# Altium PCB fullCURRENT power.PcbDoc (part 2 of 2)
Units mil, origin at the board's own origin, x right, y up, seen from the top; angles counter-clockwise.
Board outline 8250 x 6000 mil, 4 copper layers (Top Layer, ML1, ML2, Bottom Layer), stack 62 mil thick; 257 components, 125 nets, 713 pads, 209 vias.
Unrouted connection lines stored in the file: 8.
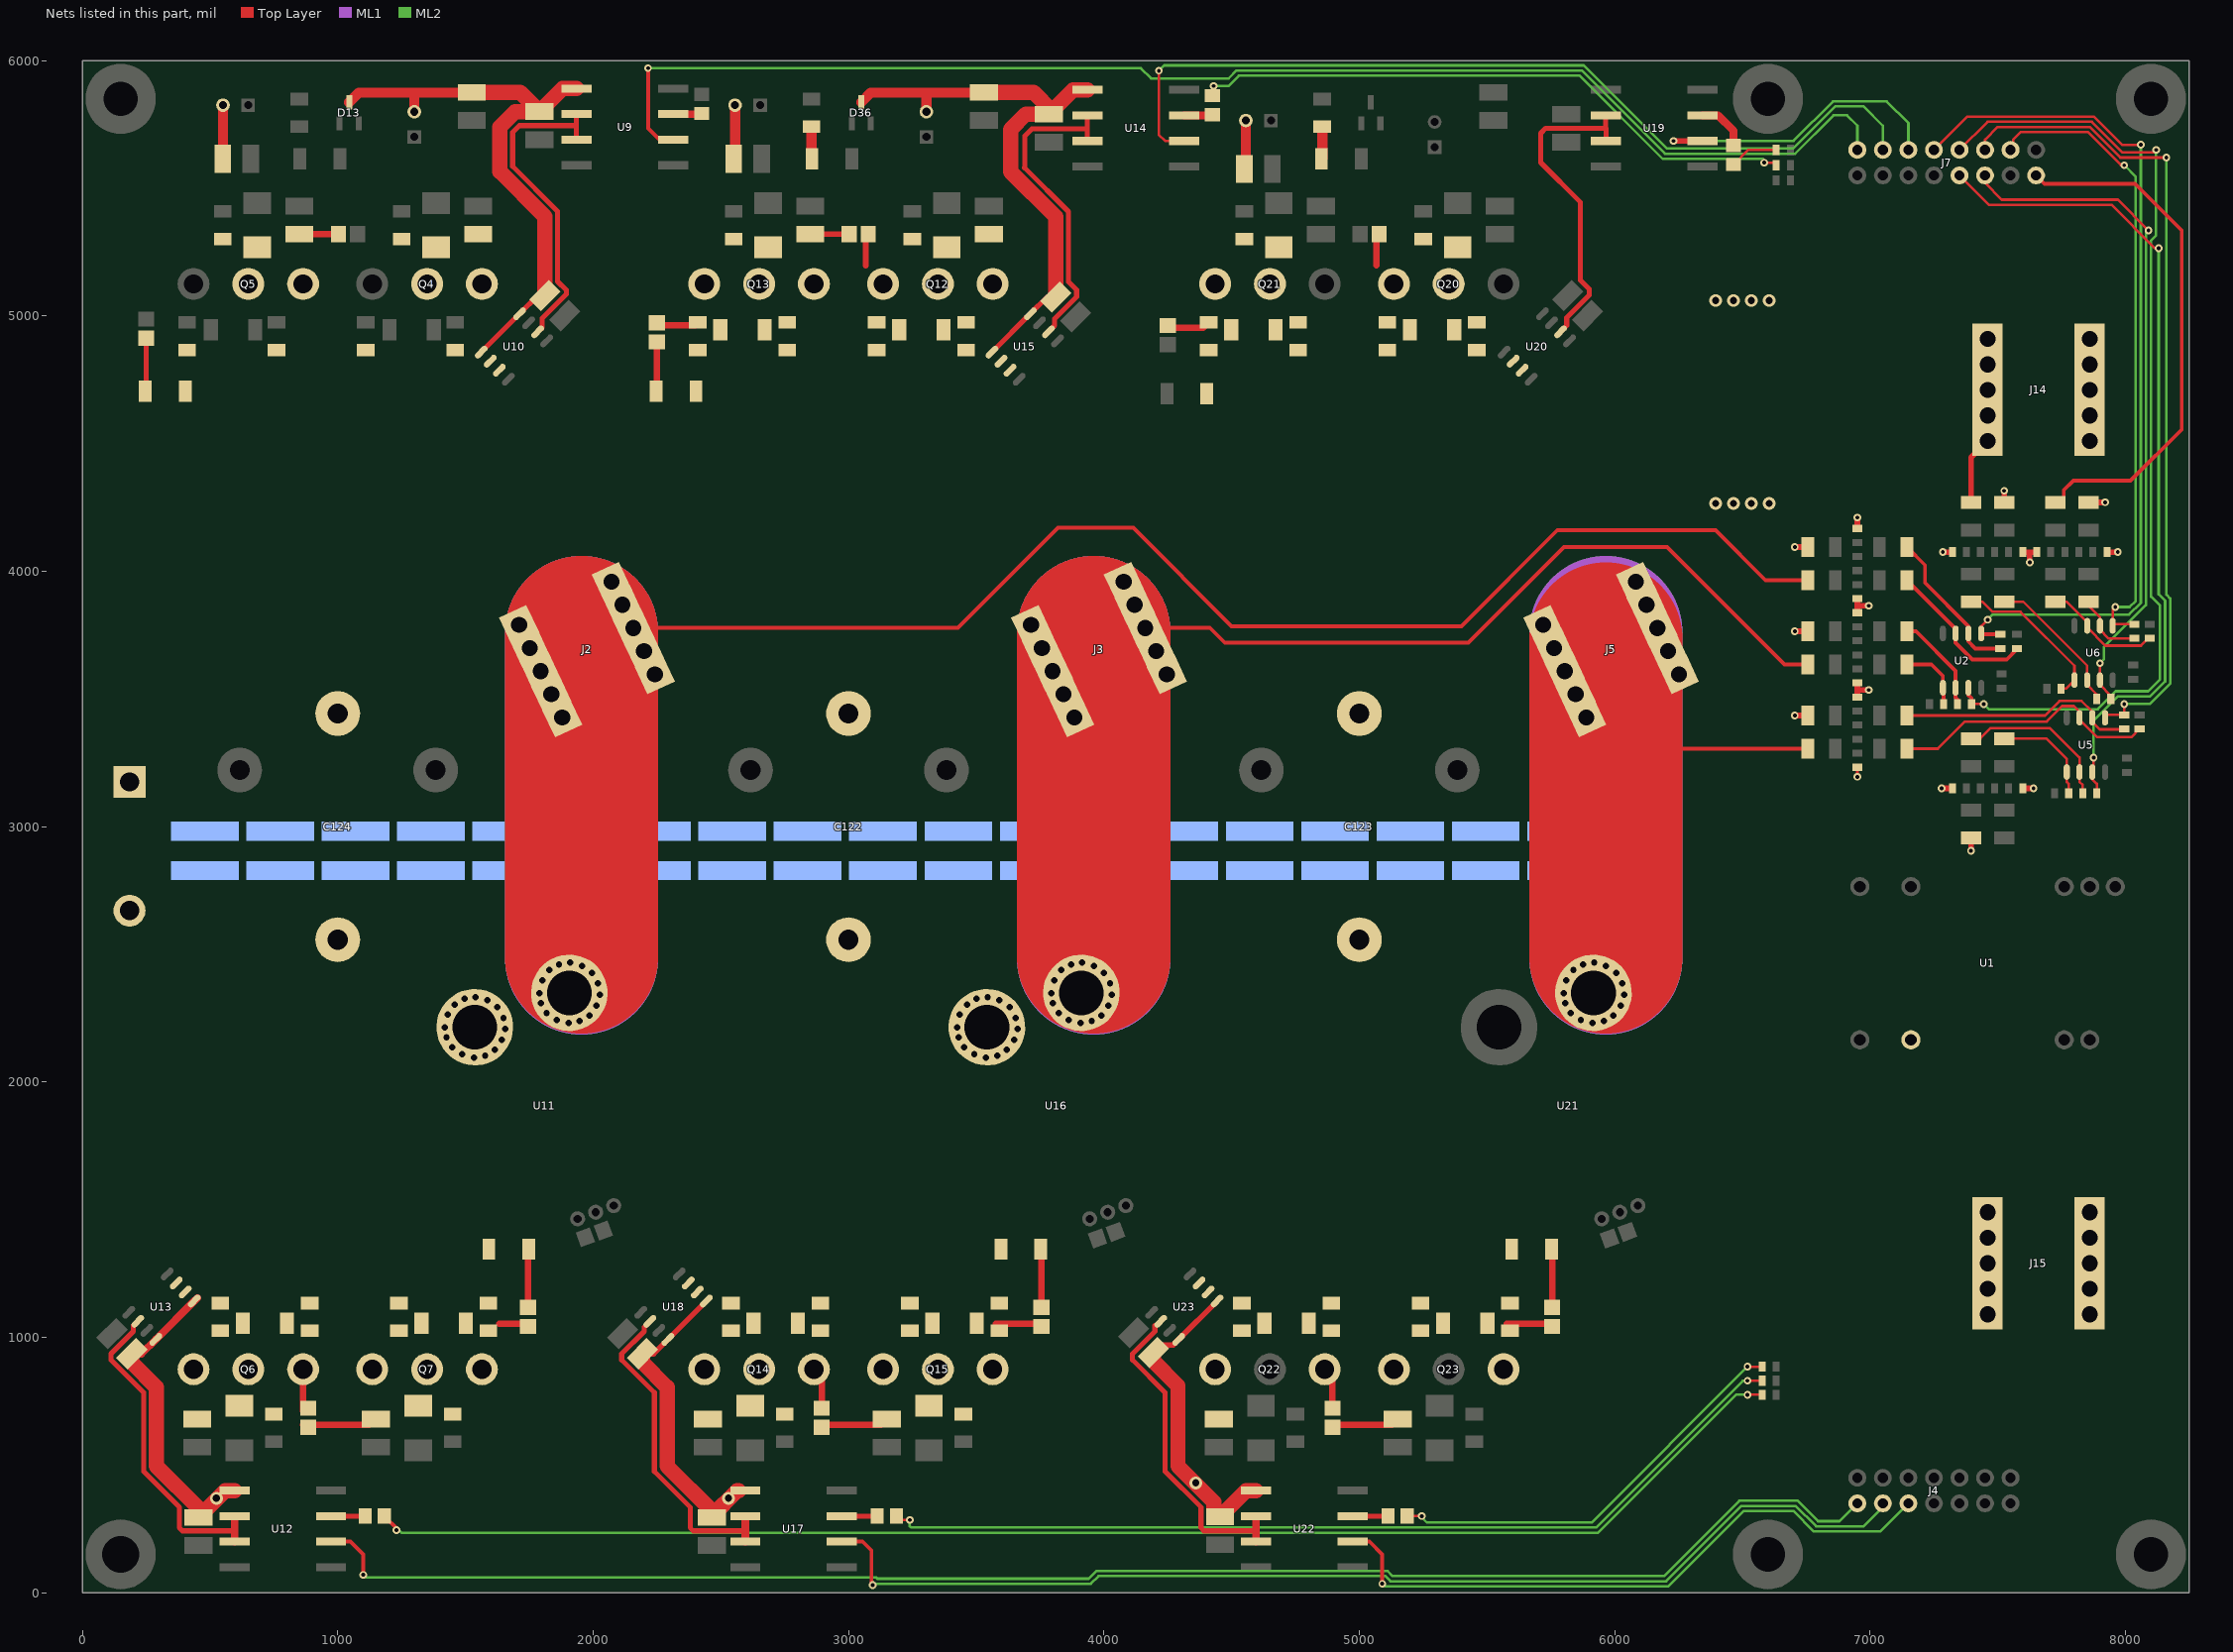
[diagram p4: the nets of this part, all layers, seen from the top]

## Via types
v1: diameter 50, hole 25, Top Layer to Bottom Layer, 96 vias
v2: diameter 30, hole 15, Top Layer to Bottom Layer, 93 vias
v3: diameter 50, hole 28, Top Layer to Bottom Layer, 20 vias

## Nets (pads, with @x,y where several pads share a name; then routed paths per layer and width w, separated by ;. In a path a pad name is that pad's centre, name@x,y a point inside that pad or via, vN(x,y) a via of type N, cw(c..) or ccw(c..) an arc to the next point about the centre after c; other vN are vias at no path point) (continued)
NetD23_2: D23.2 U9.3 | length 112.1
  Top Layer w30: U9.3@2313.98,5790 2422.4,5790 D23.2@2425,5792.6
NetD24_K: D24.K R77.2 R78.2 R86.2 R87.2 U10.6 U10.7
NetD29_1: D29.1 R100.1 | length 5647.8
  Top Layer w10: v2(6520,775) R100.1@6577.44,775
  Top Layer w15: D29.1@1182.4,300 v2@1233.7,248.7
  ML2 w10: v2(1230,245) 1240,245 1250,235 5935,235 6475,775 v2(6520,775)
NetD29_2: D29.2 U12.3 | length 133.6
  Top Layer w20: U12.3@973.98,300 D29.2@1107.6,300
NetD30_K: D30.K R96.2 R97.2 R105.2 R106.2 U13.6 U13.7
NetD31_A: D31.A Q6.G R96.1 R101.1 | length 162
  Top Layer w25: R101.1@865,712.56 Q6.G@865,874.57
NetD31_K: D31.K R105.1
NetD32_A: D32.A Q7.G R97.1 R102.1 | length 112.6
  Top Layer w25: 1632.44,1052.44 R102.1@1745,1052.44
NetD32_K: D32.K R106.1
NetD35_A: D35.A R109.1 | length 126.6
  Top Layer w40: R109.1@2855,5740.87 2855,5616.85 D35.A@2856.85,5615
NetD39_A: D39.A Q12.G R121.1 R125.1 | length 122.6
  Top Layer w25: 3067.56,5197.44 R125.1@3067.56,5320
NetD39_K: D39.K R112.1
NetD40_A: D40.A Q13.G R122.1 R126.1 | length 164.8
  Top Layer w25: R126.1@2250,4962.56 2398.43,4962.56 R122.1@2410,4974.13
NetD40_K: D40.K R113.1
NetD46_1: D46.1 R118.1 | length 2410.2
  Top Layer w10: D46.1@4425,5862.4 4425,5895 v2(4430,5900) ; v2(6585,5600) 6622.44,5600 R118.1@6632.44,5590
  ML2 w10: v2(4430,5900) 4487.14,5900 4527.93,5940.79 5862.64,5940.79 6188.43,5615 6580,5615 6585,5610 v2(6585,5600)
NetD46_2: D46.2 U14.3 | length 112.1
  Top Layer w30: U14.3@4313.98,5785 4422.4,5785 D46.2@4425,5787.6
NetD47_K: D47.K R112.2 R113.2 R121.2 R122.2 U15.6 U15.7
NetD52_1: D52.1 R135.1 | length 3661.5
  Top Layer w10: D52.1@3187.4,300 3202.4,285 v2(3240,285) ; v2(6520,830) R135.1@6577.44,830
  ML2 w10: v2(3240,285) 3240,260 3245,255 5926.72,255 6501.72,830 v2(6520,830)
NetD52_2: D52.2 U17.3 | length 138.6
  Top Layer w20: U17.3@2973.98,300 D52.2@3112.6,300
NetD53_K: D53.K R131.2 R132.2 R140.2 R141.2 U18.6 U18.7
NetD54_A: D54.A Q14.G R131.1 R136.1 | length 132
  Top Layer w25: R136.1@2895,712.56 Q14.G@2895,844.57
NetD54_K: D54.K R140.1
NetD55_A: D55.A Q15.G R132.1 R137.1 | length 178.4
  Top Layer w25: 3576.57,1052.44 R137.1@3755,1052.44
NetD55_K: D55.K R141.1
NetD58_A: D58.A R144.1 | length 127.2
  Top Layer w40: D58.A@4851.85,5615 4855,5618.15 R144.1@4855,5740.87
NetD62_A: D62.A Q20.G R156.1 R160.1 | length 122.6
  Top Layer w25: 5067.56,5197.44 R160.1@5067.56,5320
NetD62_K: D62.K R147.1
NetD63_A: D63.A Q21.G R157.1 R161.1 | length 168.9
  Top Layer w25: R161.1@4250,4952.56 4388.43,4952.56 R157.1@4410,4974.13
NetD63_K: D63.K R148.1
NetD69_1: D69.1 R153.1 | length 191.2
  Top Layer w10: D69.1@6465,5592.6 6466.53,5592.6 6523.93,5650 R153.1@6632.44,5650
NetD69_2: D69.2 U19.3 | length 203.5
  Top Layer w30: U19.3@6343.98,5785 6405,5785 6465,5725 D69.2@6465,5667.4
NetD70_K: D70.K R147.2 R148.2 R156.2 R157.2 U20.6 U20.7
NetD75_1: D75.1 R170.1 | length 1663.1
  Top Layer w10: D75.1@5187.4,300 v2(5245,300) ; v2(6520,885) R170.1@6577.44,885
  ML2 w10: v2(5245,300) 5240,300 5265,275 5910,275 v2(6520,885)
NetD75_2: D75.2 U22.3 | length 138.6
  Top Layer w20: U22.3@4973.98,300 D75.2@5112.6,300
NetD76_K: D76.K R166.2 R167.2 R175.2 R176.2 U23.6 U23.7
NetD77_A: D77.A Q22.G R166.1 R171.1 | length 132
  Top Layer w25: R171.1@4895,712.56 Q22.G@4895,844.57
NetD77_K: D77.K R175.1
NetD78_A: D78.A Q23.G R167.1 R172.1 | length 178.4
  Top Layer w25: 5576.57,1052.44 R172.1@5755,1052.44
NetD78_K: D78.K R176.1
NetR1_1: R1.1 R3.2 U2.3 | length 610
  Top Layer w15: R1.1@7144.13,3965 7335,3774.13 U2.3@7335,3756.3 7335,3720 7400,3655 7535,3655 7575,3695 R3.2@7575,3697.44
NetR4_1: R4.1 R6.1 U2.6 | length 393.2
  Top Layer w15: R6.1@7144.13,3765 7180,3765 7335,3610 U2.6@7335,3543.7 7335,3505 7342.44,3497.56 R4.1@7342.44,3475
NetR23_1: R23.1 R25.1 U2.2 | length 606.2
  Top Layer w15: R25.1@7144.13,4095 7215,4024.13 7215,3955 7385,3785 U2.2@7385,3756.3 7385,3725 7412.56,3697.44 R23.1@7510,3697.44
NetR35_1: R35.1 R37.1 U2.5 | length 275.6
  Top Layer w15: R35.1@7144.13,3635 7240,3635 7285,3590 U2.5@7285,3543.7 7287.56,3541.14 R37.1@7287.56,3475
NetR40_2: R40.2 R44.1 U5.2 | length 904.5
  Top Layer w10: R44.1@7144.13,3435 7685,3435 7741.81,3491.81 7828.19,3491.81 U5.2@7870,3450 ; U5.2@7870,3410 7899.21,3380.79 7993.35,3380.79 R40.2@7995,3382.44
NetR45_1: R45.1 R48.2 U5.3 | length 1031.3
  Top Layer w10: R45.1@7144.13,3305 7265,3305 7371.24,3411.24 7691.24,3411.24 7751.81,3471.81 7798.19,3471.81 U5.3@7820,3450 ; U5.3@7820,3419.68 7889.68,3350 8022.56,3350 R48.2@8055,3382.44
NetR49_2: R49.2 R51.1 U5.6 | length 635.7
  Top Layer w10: R51.1@7429.13,3344.13 7471.24,3386.24 7703.76,3386.24 7820,3270 U5.6@7820,3213.7 7820,3175 7832.44,3162.56 R49.2@7832.44,3130
  Top Layer w15: R51.1@7395,3344.13 R51.1@7429.13,3344.13
NetR52_1: R52.1 R55.2 U5.5 | length 415.9
  Top Layer w10: R52.1@7525,3344.13 7690.87,3344.13 7770,3265 U5.5@7770,3213.7 7770,3175 7777.56,3167.44 R55.2@7777.56,3130
NetR56_2: R56.2 R58.1 U6.6 | length 574.4
  Top Layer w10: R58.1@7525,3880.87 7599.13,3880.87 7850,3630 U6.6@7850,3573.7 7850,3555 7887.44,3517.56 R56.2@7887.44,3500
NetR59_1: R59.1 R62.2 U6.5 | length 631.6
  Top Layer w10: R59.1@7395,3880.87 7439.81,3880.87 7479.42,3841.26 7588.74,3841.26 7800,3630 U6.5@7800,3573.7 7766.3,3540 R62.2@7747.56,3540
NetR63_2: R63.2 R65.1 U6.2 | length 271.7
  Top Layer w10: R65.1@7855,3880.87 7855,3865 7900,3820 U6.2@7900,3786.3 U6.2@7900,3776.3 ; U6.2@7900,3770 7932.56,3737.44 R63.2@8035,3737.44
NetR66_1: R66.1 R68.2 U6.3 | length 454.8
  Top Layer w10: R66.1@7725,3880.87 7769.13,3880.87 7850,3800 U6.3@7850,3790 ; U6.3@7850,3779.68 7921.02,3708.66 8060.9,3708.66 8089.68,3737.44 R68.2@8095,3737.44
NetU9_6: U9.6 U9.7 U10.2 | length 1276.7
  Top Layer w20: U10.2@1782.84,4937.49 1800,4954.64 1800,4990 1895,5085 1895,5101.07 1861.11,5134.96 1861.11,5409.6 1685,5585.71 1685,5719.29 1710.71,5745 1935,5745 ; U9.7@1936.02,5690 1935,5691.02 1935,5745 ; U9.6@1936.02,5790 1935,5788.98 1935,5745
NetU12_6: U12.6 U12.7 U13.2 | length 1286.8
  Top Layer w20: U13.2@217.16,1062.51 200,1045.36 200,1023.54 112.02,935.55 112.02,911.91 240,783.93 240,475 380,335 380,254.22 391.72,242.5 588.52,242.5 596.02,250
  Top Layer w30: U12.7@596.02,200 596.02,250 U12.6@596.02,300
NetU14_6: U14.6 U14.7 U15.2 | length 1254.7
  Top Layer w20: 3689.64,5580.36 3861.11,5408.89 3861.11,5133.89 3892.98,5102.02 3892.98,5074.45 3807.02,4988.48 3807.02,4961.66 U15.2@3782.84,4937.49 ; 3690,5580.71 3690,5704.29 3718.21,5732.5 3932.5,5732.5 3934.64,5734.64 ; U14.7@3936.02,5685 3934.64,5686.38 3934.64,5734.64 ; U14.6@3936.02,5785 3935,5783.98 3935,5735 3934.64,5734.64
NetU17_6: U17.6 U17.7 U18.2 | length 1267.8
  Top Layer w20: U18.2@2215,1055 2200,1040 2200,1023.54 2112.02,935.55 2112.02,911.91 2240,783.93 2240,475 2380,335 2380,254.22 2391.72,242.5 2588.52,242.5
  Top Layer w30: U17.7@2596.02,200 2596.02,250 U17.6@2596.02,300
NetU19_6: U19.6 U19.7 U20.2 | length 1266.8
  Top Layer w20: U20.2@5787.84,4937.49 5812.02,4961.66 5812.02,4993.48 5900,5081.46 5900,5105 5866.11,5138.89 5866.11,5444.6 5710,5600.71 5710,5715 5730,5735 5965,5735 ; U19.7@5966.02,5685 5966.02,5733.98 5965,5735 ; U19.6@5966.02,5785 5965,5783.98 5965,5735
NetU22_6: U22.6 U22.7 U23.2 | length 1252
  Top Layer w20: U23.2@4200,1045.36 4200,1023.54 4112.02,935.55 4112.02,911.91 4240,783.93 4240,475 4380,335 4380,254.22 4391.72,242.5 4588.52,242.5
  Top Layer w30: U22.7@4596.02,200 U22.6@4596.02,300
NEUTRAL: J7.15 R67.2 | length 2069.7
  Top Layer w15: J7.15@7650,5550 7682.5,5517.5 8037.5,5517.5 8220,5335 8220,4555 8020,4355 7795.57,4355 7758.13,4317.56 7758.13,4288.13 7739.13,4269.13 R67.2@7725,4269.13
PGND: C1.2 C10.2 C14.1 C15.2 C17.1 C18.2 C20.1 C21.2 C23.1 C25.2 C27.1 C28.2 C30.1 C48.2 C49.2 C59.2 C60.2 C63.2 C64.2 C66.2 C67.2 C77.2 C78.2 C81.2 C82.2 C84.2 C85.2 C95.2 C96.2 C99.2 C100.2 C103.2 C104.2 C105.2 C106.2 C107.2 C108.2 C109.2 C110.2 C111.2 C112.2 C113.2 C114.2 C115.2 C116.2 C117.2 C118.2 C119.2 C120.2 C121.2 C122.2 C123.2 C124.2 D30.A D45.A D53.A D76.A J15.0 Q6.S Q7.S Q14.S Q15.S Q22.S Q23.S R5.2 R24.2 R42.2 R50.2 R57.2 R64.2 R101.2 R102.2 R136.2 R137.2 R171.2 R172.2 U1.16 U12.5 U13.4 U13.5 U17.5 U18.4 U18.5 U22.5 U23.4 U23.5 | length 6619.9
  Top Layer w10: v2(6950,3195) C20.1@6950,3232.44
  Top Layer w22: C82.2@2193.89,936.11 2237.18,936.11 U18.4@2292.87,991.8 U18.5@2443.2,1142.13 ; C100.2@4193.89,941.11 4222.78,970 4271.07,970 U23.4@4292.87,991.8 U23.5@4443.2,1142.13 ; v2(6705,3435) R42.2@6755.87,3435 ; v2(6705,3765) R5.2@6755.87,3765 ; v2(6705,4095) R24.2@6755.87,4095 ; C18.2@6950,3507.56 6950,3535 ; C17.1@6950,3562.44 6950,3535 ; C15.2@6950,3837.56 6950,3865 ; C14.1@6950,3892.44 6950,3865 ; C10.2@6950,4167.56 v2(6950,4210) ; v2(6995,3535) 6950,3535 ; v2(6995,3865) 6950,3865 ; v2(7280,3150) C21.2@7322.44,3150 ; v2(7285,4075) C27.1@7322.44,4075 ; v2(7395,2905) R50.2@7395,2955.87 ; R57.2@7525,4269.13 v2(7525,4315) ; C23.1@7597.56,3150 v2(7640,3150) ; C25.2@7597.56,4075 7625,4075 ; v2(7625,4035) 7625,4075 ; C30.1@7652.44,4075 7625,4075 ; R64.2@7855,4269.13 7919.13,4269.13 v2(7920,4270) ; C28.2@7927.56,4075 v2(7970,4075)
  Top Layer w25: R101.2@865,657.44 C60.2@1122.44,657.44 ; R102.2@1745,1107.56 D30.A@1745,1331.85 ; R136.2@2895,657.44 C78.2@3127.44,657.44 ; R137.2@3755,1107.56 D53.A@3755,1343.15 ; R171.2@4895,657.44 C96.2@5127.44,657.44 ; R172.2@5755,1107.56 D76.A@5755,1343.15
  Top Layer w30: C64.2@193.89,936.11 232.18,936.11 U13.4@287.87,991.8 U13.5@438.2,1142.13 U13.5@450.53,1154.47 ; C49.2@550,5615 C49.2@550.79,5615.79 ; C67.2@2550,5615 C67.2@2555.79,5620.79
  Top Layer w40: C49.2@550.79,5615.79 C48.2@550.79,5825 ; C67.2@2555.79,5620.79 C66.2@2555.79,5825 ; C85.2@4550,5615 4555.79,5620.79 C84.2@4555.79,5755
  Top Layer w60: C64.2@193.89,936.11 193.89,900.75 290,804.64 290,495.71 455,330.71 C63.2@455,295 560,400 U12.5@596.02,400 ; C82.2@2193.89,936.11 2193.89,900.75 2290,804.64 2290,495.71 2465,320.71 C81.2@2465,300.35 ; C81.2@2465,295 C81.2@2465,300.35 ; U17.5@2570,400 2564.65,400 C81.2@2465,300.35 ; C100.2@4193.89,941.11 4193.89,906.11 4290,810 4290,495.71 4430,355.71 4430,322.5 C99.2@4455,297.5 4557.5,400 U22.5@4596.02,400
  other v3: 525,370 2530,370 4360,430 6395,4265 6465,4265 6535,4265 6605,4265 6395,5060 6465,5060 6535,5060 6605,5060
PHASEA: J2.0 R2.2 U11.4 | length 8976.9
  Top Layer w15: J2.0@2157.05,3777.79 3427.79,3777.79 3820,4170 4115,4170 4500,3785 5400,3785 5775.03,4160.03 6394.97,4160.03 6590,3965 R2.2@6755.87,3965
  Top Layer w600: U11.4@1955,2490 1955,3760
  ML1 w600: U11.4@1955,2485 1955,3760
  ML2 w600: U11.4@1955,2485 1955,3760
  other v1: 1903.83,2230.64 1947.22,2238.05 1857.41,2243.07 1985.22,2260.26 1818.04,2270.64 2012.79,2299.62 1795.83,2308.64 2026.57,2342.34 1789.77,2348.33 2019.15,2385.73 1800.85,2398.45 1995.6,2427.43 1828.42,2437.81 1956.23,2455 1866.42,2460.02 1909.81,2467.44
PHASEA_PREI: C53.2 C54.2 C55.2 C56.2 C57.2 C58.2 D13.3 D24.A D25.A D26.A Q4.S Q5.S Q6.D Q7.D R90.2 R91.2 R92.1 R93.1 U9.5 U10.4 U10.5 U11.5 | length 2683.9
  Top Layer w20: D24.A@246.85,4705 250,4708.15 R91.2@250,4922.44 ; U10.5@1561.8,4857.87 U10.4@1712.13,5008.2 1782.82,5078.89 C58.2@1811.11,5078.89
  Top Layer w25: C54.2@850,5320 R90.2@1010,5320
  Top Layer w40: D13.3@1045,5836.34 1082.87,5874.21 1300,5874.21 ; C55.2@1300,5799.21 1300,5874.21 ; C56.2@1525,5875 1524.21,5874.21 1300,5874.21
  Top Layer w60: C56.2@1525,5875 1715,5875 C57.2@1790,5800 ; C58.2@1811.11,5078.89 1811.11,5388.89 1635,5565 1635,5740 1695,5800 C57.2@1790,5800 ; U9.5@1936.02,5890 1880,5890 C57.2@1790,5800
  other v1: 1533.87,2095.98 1577.26,2103.4 1487.45,2108.41 1615.26,2125.61 1448.09,2135.98 1642.83,2164.97 1425.88,2173.99 1656.61,2207.69 1419.81,2213.68 1649.2,2251.08 1430.89,2263.8 1625.64,2292.78 1458.46,2303.16 1586.28,2320.35 1496.47,2325.37 1539.85,2332.78
PHASEB: J3.0 R36.2 U16.4 | length 6783.6
  Top Layer w15: J3.0@4162.05,3777.79 4415.29,3777.79 4473.08,3720 5426.92,3720 5801.95,4095.03 6204.97,4095.03 6665,3635 R36.2@6755.87,3635
  Top Layer w600: U16.4@3960,2490 3960,3760
  ML1 w600: U16.4@3960,2485 3960,3760
  ML2 w600: U16.4@3960,2485 3960,3760
  other v1: 3908.83,2230.64 3952.22,2238.05 3862.41,2243.07 3990.22,2260.26 3823.04,2270.64 4017.79,2299.62 3800.83,2308.64 4031.57,2342.34 3794.77,2348.33 4024.15,2385.73 3805.85,2398.45 4000.6,2427.43 3833.42,2437.81 3961.23,2455 3871.42,2460.02 3914.81,2467.44
PHASEB_PREI: C71.2 C72.2 C73.2 C74.2 C75.2 C76.2 D36.3 D47.A D48.A D49.A Q12.S Q13.S Q14.D Q15.D R125.2 R126.2 R127.1 R128.1 U14.5 U15.4 U15.5 U16.5 | length 2667.8
  Top Layer w20: C72.2@2850,5320 R125.2@3012.44,5320 ; U15.5@3561.8,4857.87 U15.4@3712.13,5008.2 3777.82,5073.89 C76.2@3811.11,5073.89
  Top Layer w25: D47.A@2246.85,4705 2250,4708.15 R126.2@2250,4907.44
  Top Layer w40: D36.3@3050,5836.34 3087.87,5874.21 3305,5874.21 ; C73.2@3305,5799.21 3305,5874.21 ; C74.2@3530,5875 3529.21,5874.21 3305,5874.21
  Top Layer w60: C74.2@3530,5875 3725,5875 C75.2@3797.5,5802.5 ; C76.2@3811.11,5073.89 3811.11,5388.18 3635,5564.29 3635,5730 3695,5790 C75.2@3785,5790 C75.2@3797.5,5802.5 ; U14.5@3936.02,5885 3880,5885 C75.2@3797.5,5802.5
  other v1: 3538.87,2095.98 3582.26,2103.4 3492.45,2108.41 3620.26,2125.61 3453.09,2135.98 3647.83,2164.97 3430.88,2173.99 3661.61,2207.69 3424.81,2213.68 3654.2,2251.08 3435.89,2263.8 3630.64,2292.78 3463.46,2303.16 3591.28,2320.35 3501.47,2325.37 3544.85,2332.78
PHASEC: J5.0 R47.2 U21.4 | length 4594.2
  Top Layer w15: 5965,3325 5985,3305 R47.2@6755.87,3305
  Top Layer w600: U21.4@5965,2490 5965,3325 5965,3735
  ML1 w600: U21.4@5965,2485 5965,3760
  ML2 w600: U21.4@5965,2485 5965,3760
  other v1: 5913.83,2230.64 5957.22,2238.05 5867.41,2243.07 5995.22,2260.26 5828.04,2270.64 6022.79,2299.62 5805.83,2308.64 6036.57,2342.34 5799.77,2348.33 6029.15,2385.73 5810.85,2398.45 6005.6,2427.43 5838.42,2437.81 5966.23,2455 5876.42,2460.02 5919.81,2467.44
PWM_A: J7.2 U9.2 | length 5425.6
  Top Layer w15: v2(2215,5970) 2215,5735 2260,5690 U9.2@2313.98,5690
  ML2 w10: v2(2215,5970) 4145,5970 4185,5930 4488.85,5930 4519.64,5960.79 5870.93,5960.79 6196.72,5635 6706.57,5635 6856.57,5785 6910,5785 6950,5745 J7.2@6950,5650
PWM_AN: J4.1 U12.2 | length 6288.4
  Top Layer w15: U12.2@973.98,200 1050,200 1100,150 v2(1100,70)
  ML2 w10: v2(1100,70) 1110,60 3107.43,60 3112.43,55 3940.71,55 3970,84.29 3970,85 5110.71,85 5130.71,65 6193.43,65 6488.43,360 6716.57,360 6796.57,280 6880,280 J4.1@6950,350
PWM_B: J7.4 U14.2 | length 3532.3
  Top Layer w10: v2(4215,5960) 4215,5710 4240,5685 U14.2@4313.98,5685
  ML2 w10: v2(4215,5960) 4235.79,5980.79 5879.21,5980.79 6205,5655 6698.28,5655 6863.28,5820 6975,5820 7050,5745 J7.4@7050,5650
PWM_BN: J4.3 U17.2 | length 4456.8
  Top Layer w15: U17.2@2973.98,200 3055,200 3090,165 3090,35 v2(3095,30)
  ML2 w10: v2(3095,30) 3095,40 3100,35 3948.99,35 3978.99,65 5102.43,65 5122.43,45 6201.72,45 6496.72,340 6708.28,340 6788.28,260 6975,260 7050,335 J4.3@7050,350
PWM_C: J7.6 U19.2 | length 1238.4
  Top Layer w22: v2(6230,5685) U19.2@6343.98,5685
  ML2 w10: v2(6230,5685) 6700,5685 6855,5840 7065,5840 7150,5755 J7.6@7150,5650
PWM_CN: J4.5 U22.2 | length 2511.8
  Top Layer w15: U22.2@4973.98,200 5040,200 5090,150 v2@5090,40
  ML2 w10: v2(5090,35) 5100,25 6210,25 6505,320 6700,320 6780,240 7040,240 J4.5@7150,350
VA_ADC: J7.8 R23.2 U2.1 | length 3471.5
  Top Layer w10: J7.8@7250,5650 7380,5780 7876.57,5780 7986.57,5670 v2(8060,5670) ; U2.1@7435,3756.3 7435,3785 v2(7460,3810)
  Top Layer w15: U2.1@7435,3756.3 7438.74,3752.56 R23.2@7510,3752.56
  ML2 w10: v2(7460,3810) 7480,3830 8014.29,3830 8060,3875.71 v2(8060,5670)
VB_ADC: J7.10 R4.2 U2.7 | length 3828.5
  Top Layer w10: J7.10@7350,5650 7460,5760 7868.28,5760 7988.28,5640 8110,5640 v2(8120,5650) ; R4.2@7397.56,3480 v2(7445,3480)
  Top Layer w15: U2.7@7385,3543.7 7385,3515.12 7397.56,3502.56 R4.2@7397.56,3480
  ML2 w10: v2(7445,3480) 7465,3460 7891.72,3460 7961.72,3530 8088.43,3530 8135,3576.57 8135,3865 8100,3900 8100,5295 8120,5315 v2(8120,5650)
VBATT: C1.1 C103.1 C104.1 C105.1 C106.1 C107.1 C108.1 C109.1 C110.1 C111.1 C112.1 C113.1 C114.1 C115.1 C116.1 C117.1 C118.1 C119.1 C120.1 C121.1 C122.1 C123.1 C124.1 D20.A D21.A D43.A D44.A D45.K D66.A D67.A J14.0 Q4.D Q5.D Q12.D Q13.D Q20.D Q21.D R61.2 R81.1 R82.1 R116.1 R117.1 R151.1 R152.1 | length 267.8
  Top Layer w22: R61.2@7395,4269.13 7395,4445 J14.0@7460,4510
VBATT_ADC: J7.11 R56.1 U6.7 | length 2678
  Top Layer w10: J7.11@7450,5550 7450,5520 7515,5455 7970,5455 v2(8090,5335) ; v2(7900,3640) U6.7@7900,3573.7 7900,3555 7942.56,3512.44 R56.1@7942.56,3500
  ML2 w10: v2(7900,3640) 7915,3655 7915,3702.43 8080,3867.43 8080,5325 v2(8090,5335)
VC_ADC: J7.12 R40.1 U5.1 | length 3200.9
  Top Layer w10: J7.12@7450,5650 7450,5690 7500,5740 7860,5740 7980,5620 v2(8160,5620) ; U5.1@7931.26,3437.56 R40.1@7995,3437.56 v2(7995,3480)
  ML2 w10: v2(7995,3480) 8095,3480 8175,3560 8175,3893.28 8160,3908.28 v2@8160,5615
VGATE_ADC: J7.9 R49.1 U5.7 | length 3235.9
  Top Layer w10: J7.9@7350,5550 7465,5435 7945,5435 8115,5265 v2(8130,5265) ; U5.7@7870,3213.7 7870,3185 7887.56,3167.44 R49.1@7887.56,3130 ; U5.7@7875,3218.7 v2(7875,3270)
  ML2 w10: v2(7875,3270) 7875,3415 7970,3510 8096.72,3510 8155,3568.28 8155,3885 8130,3910 v2(8130,5265)
VN_ADC: J7.14 R63.1 U6.1 | length 2516.6
  Top Layer w10: J7.14@7550,5650 7560,5660 7560,5690 7590,5720 7851.72,5720 7981.72,5590 v2(7995,5590) ; U6.1@7950,3786.3 7950,3850 v2(7960,3860) ; U6.1@7956.26,3792.56 R63.1@8035,3792.56
  ML2 w10: v2(7960,3860) 8016.01,3860 8040,3883.99 8040,5545 v2(7995,5590)
pads on no net: C122.0 C123.0 C124.0 J4.2 J4.4 J4.6 J7.1 J7.3 J7.5 U1.9 U1.11 U9.1 U9.4 U12.1 U12.4 U13.3 U14.1 U14.4 U17.1 U17.4 U18.3 U19.1 U19.4 U22.1 U22.4 U23.3
copper on no net: | length 11573.8
  Top Layer w15: v2(1900,120) 1900,125.96 1915,140.96 1915,805 1985,875 ; v2@1935,105 v2(1940,100) ; v2@1940,102.5 1940,735 1982.5,777.5 ; v2(3850,135) 3895,180 3895,785 3985,875 ; v2@3920,115 3920,715 3990,785 ; v2(6580,5470) 6632.44,5470 ; v2(6585,5410) 6632.44,5410
  ML2 w10: v2(1900,120) 1900,122.43 1920,122.43 1927.57,130 1965,130 1990,105 3862.57,105 3927.57,170 ; v2@1935,105 v2(1940,100) ; v2@1937.5,102.5 1947.5,102.5 1965,85 3930,85 3950,105 5118.99,105 5138.99,85 ; v2(3850,135) 3864.29,135 3919.29,190 ; v2@3920,115 3930,125 5127.28,125 5147.28,105 ; 5837.79,5880.79 6163.58,5555 6440,5555 v2(6585,5410) ; 5846.08,5900.79 6171.86,5575 6475,5575 v2(6580,5470)
  other v2: 3915,115

## Polygon pours and split planes (outlines as drawn)
PHASEA_PREI on ML2 "Bottom Layer-No Net" (solid, remove dead copper, pour order 186): 25,520 1990,520 1985,5975 25,5975
PGND on ML2 "Top Layer-No Net 4" (solid, remove dead copper, pour order 288): 6360,4230 6640,4230 6640,5095 6360,5095
PHASEB_PREI on ML2 "Bottom Layer-No Net" (solid, remove dead copper, pour order 183): 2005,520 3985,520 3985,5975 2005,5975
NetC89_2 on ML2 "Bottom Layer-No Net" (solid, remove dead copper, pour order 180): 4005,520 5960.39,520 5960,2010 5960,5915 4005,5915
GNDN on Bottom Layer "Top Layer-No Net 4" (solid, remove dead copper, pour order 147): 6605,25 6600,30 6600,950 7495,950 7495,705 8050,705 8050,1725 7625,1725 7625.02,1732.32 7625,2925 8225,2925 8225,25
VBATT on Bottom Layer "Bottom Layer-No Net" (solid, remove dead copper, pour order 150): 25,2945 6205,2945 6205,4300 7925,4300 7925,5025 6290,5025 6290,5375 25,5375
PGND on Bottom Layer "Top Layer-No Net 4" (solid, remove dead copper, pour order 289): 25,5975 6660,5975 6660,4975 25.43,4975 25,4974.57
PGND on Bottom Layer "Bottom Layer-No Net" (solid, remove dead copper, pour order 146): 25,2895 6270,2895 6270,4300 8035,4300 8035,3945 7250,3945 7250,4150 7075,4150 7075,3235 7275,3235 7275,3275 7675,3275 7675,2915 7625,2915 7625,1725 8050,1725 8050,710 7500,710 7500,950 6600,950 6600,25 25,25
GND on Bottom Layer "Top Layer-No Net 4" (solid, remove dead copper, pour order 290): 6660,5975 8225,5975 8225,2925 7075,2925 7075,4150 7975,4150 7975,5075 6670,5075
+VCC_VSENSE on ML1 "Bottom Layer-No Net" (solid, remove dead copper, pour order 151): 6670,5075 7975,5075 7975,3945 7250,3945 7250,4150 7075,4150 7075,3235 7275,3235 7275,3275 7675,3275 7675,2935 8225,2935 8225,5975 6670,5975
+VCAN on ML1 "Bottom Layer-No Net" (solid, remove dead copper, pour order 149): 6600,950 7500,950 7500,710 8050,710 8050,1725 7625,1725 7625,2914.75 7625.25,2915 7675,2915 7675,2925 8225,2925 8225,25 6600,25
+15V on ML1 "Bottom Layer-No Net" (solid, remove dead copper, pour order 285): 25,20 6600,25 6600,950 7500,950 7500,710 8050,710 8050,1725 7625,1725 7625,2915 7675,2915 7675,3275 7275,3275 7275,3235 7075,3235 7075,4150 7250,4150 7250,3945 8035,3945 8035,4300 7925,4300 7925,5025 6660,5025 6660,5975 5975,5975 5980,520 25,520
PGND on ML1 "Bottom Layer-No Net" (solid, remove dead copper, pour order 175): 4375,875 5625,875 5625,1625 4375,1625
PGND on ML1 "Bottom Layer-No Net" (solid, remove dead copper, pour order 176): 2375,875 3625,875 3625,1625 2375,1625
PGND on ML1 "Bottom Layer-No Net" (solid, remove dead copper, pour order 177): 375,875 1625,875 1625,1625 375,1625
PHASEA_PREI on ML1 "Bottom Layer-No Net" (solid, remove dead copper, pour order 189): 25,520 1990,520 1985,5435 25,5435
PHASEB_PREI on ML1 "Bottom Layer-No Net" (solid, remove dead copper, pour order 188): 2005,520 3985,520 3985,5435 2005,5435
NetC89_2 on ML1 "Bottom Layer-No Net" (solid, remove dead copper, pour order 187): 4005,520 5960.39,520 5960,2010 5960,5435 4005,5435
+15V on ML1 "Bottom Layer-No Net" (solid, remove dead copper, pour order 287): 25,5450 25,5975 6225,5975 6225,5450
NetD24_K on Top Layer "Bottom Layer-No Net" (solid, remove dead copper, pour order 184): 1625,4600 375,4600 375,4890 1620,4895 1695,4815 1625,4745
VBATT on Top Layer "Bottom Layer-No Net" (solid, remove dead copper, pour order 190): 5420,5060 5420,5205 5440,5225 5440,5310 5300,5310 5285,5325 5215,5325 5215,5275 5285,5205 5285,5060
NetC89_2 on Top Layer "Bottom Layer-No Net" (solid, remove dead copper, pour order 238): 5495,5355 5495,5060 5630,5060 5630,5355
NetC89_1 on Top Layer "Bottom Layer-No Net" (solid, remove dead copper, pour order 214): 5210,5385 5315,5385 5325,5395 5605,5395 5605,5465 5585,5485 5325,5485 5275,5435 5210,5435
NetD62_K on Top Layer "Bottom Layer-No Net" (solid, remove dead copper, pour order 262): 5495,5000 5340,5000 5340,4900 5495,4900
NetD62_A on Top Layer "Bottom Layer-No Net" (solid, remove dead copper, pour order 148): 5055,5225 5055,4900 5235,4900 5235,4990 5215,5010 5215,5225
VBATT on Top Layer "Bottom Layer-No Net" (solid, remove dead copper, pour order 191): 4720,5060 4720,5205 4740,5225 4740,5310 4600,5310 4585,5325 4515,5325 4515,5275 4585,5205 4585,5060
NetC89_2 on Top Layer "Bottom Layer-No Net" (solid, remove dead copper, pour order 239): 4795,5355 4795,5060 4930,5060 4930,5355
NetC90_1 on Top Layer "Bottom Layer-No Net" (solid, remove dead copper, pour order 215): 4510,5385 4615,5385 4625,5395 4905,5395 4905,5465 4885,5485 4625,5485 4575,5435 4510,5435
NetD63_K on Top Layer "Bottom Layer-No Net" (solid, remove dead copper, pour order 263): 4795,5000 4640,5000 4640,4900 4795,4900
NetD63_A on Top Layer "Bottom Layer-No Net" (solid, remove dead copper, pour order 152): 4355,5225 4355,4900 4535,4900 4535,4990 4515,5010 4515,5225
VBATT on Top Layer "Bottom Layer-No Net" (solid, remove dead copper, pour order 192): 3420,5060 3420,5205 3440,5225 3440,5310 3300,5310 3285,5325 3215,5325 3215,5275 3285,5205 3285,5060
PHASEB_PREI on Top Layer "Bottom Layer-No Net" (solid, remove dead copper, pour order 240): 3495,5355 3495,5060 3630,5060 3630,5355
NetC71_1 on Top Layer "Bottom Layer-No Net" (solid, remove dead copper, pour order 216): 3210,5385 3315,5385 3325,5395 3605,5395 3605,5465 3585,5485 3325,5485 3275,5435 3210,5435
NetD39_K on Top Layer "Bottom Layer-No Net" (solid, remove dead copper, pour order 264): 3495,5000 3340,5000 3340,4900 3495,4900
NetD39_A on Top Layer "Bottom Layer-No Net" (solid, remove dead copper, pour order 153): 3055,5225 3055,4900 3235,4900 3235,4990 3215,5010 3215,5225
VBATT on Top Layer "Bottom Layer-No Net" (solid, remove dead copper, pour order 193): 2720,5060 2720,5205 2740,5225 2740,5310 2600,5310 2585,5325 2515,5325 2515,5275 2585,5205 2585,5060
PHASEB_PREI on Top Layer "Bottom Layer-No Net" (solid, remove dead copper, pour order 241): 2795,5355 2795,5060 2930,5060 2930,5355
NetC72_1 on Top Layer "Bottom Layer-No Net" (solid, remove dead copper, pour order 217): 2510,5385 2615,5385 2625,5395 2905,5395 2905,5465 2885,5485 2625,5485 2575,5435 2510,5435
NetD40_K on Top Layer "Bottom Layer-No Net" (solid, remove dead copper, pour order 265): 2795,5000 2640,5000 2640,4900 2795,4900
NetD40_A on Top Layer "Bottom Layer-No Net" (solid, remove dead copper, pour order 154): 2355,5225 2355,4900 2535,4900 2535,4990 2515,5010 2515,5225
VBATT on Top Layer "Bottom Layer-No Net" (solid, remove dead copper, pour order 194): 1420,5060 1420,5205 1440,5225 1440,5310 1300,5310 1285,5325 1215,5325 1215,5275 1285,5205 1285,5060
PHASEA_PREI on Top Layer "Bottom Layer-No Net" (solid, remove dead copper, pour order 242): 1495,5355 1495,5060 1630,5060 1630,5355
NetC53_1 on Top Layer "Bottom Layer-No Net" (solid, remove dead copper, pour order 218): 1210,5385 1315,5385 1325,5395 1605,5395 1605,5465 1585,5485 1325,5485 1275,5435 1210,5435
NetD16_K on Top Layer "Bottom Layer-No Net" (solid, remove dead copper, pour order 266): 1495,5000 1340,5000 1340,4900 1495,4900
NetD16_A on Top Layer "Bottom Layer-No Net" (solid, remove dead copper, pour order 155): 1055,5225 1055,4900 1235,4900 1235,4990 1215,5010 1215,5225
VBATT on Top Layer "Bottom Layer-No Net" (solid, remove dead copper, pour order 195): 720,5060 720,5205 740,5225 740,5310 600,5310 585,5325 515,5325 515,5275 585,5205 585,5060
PHASEA_PREI on Top Layer "Bottom Layer-No Net" (solid, remove dead copper, pour order 243): 795,5355 795,5060 930,5060 930,5355
NetC54_1 on Top Layer "Bottom Layer-No Net" (solid, remove dead copper, pour order 219): 510,5385 615,5385 625,5395 905,5395 905,5465 885,5485 625,5485 575,5435 510,5435
NetD17_K on Top Layer "Bottom Layer-No Net" (solid, remove dead copper, pour order 267): 795,5000 640,5000 640,4900 795,4900
NetD17_A on Top Layer "Bottom Layer-No Net" (solid, remove dead copper, pour order 156): 355,5225 355,4900 535,4900 535,4990 515,5010 515,5225
NetD76_K on Top Layer "Bottom Layer-No Net" (solid, remove dead copper, pour order 178): 4375,1400 5625,1400 5625,1110 4380,1105 4305,1185 4375,1255
NetC96_1 on Top Layer "Bottom Layer-No Net" (solid, remove dead copper, pour order 232): 5490,615 5385,615 5375,605 5095,605 5095,535 5115,515 5375,515 5425,565 5490,565
PGND on Top Layer "Bottom Layer-No Net" (solid, remove dead copper, pour order 256): 5205,645 5205,940 5070,940 5070,645
NetC89_2 on Top Layer "Bottom Layer-No Net" (solid, remove dead copper, pour order 208): 5280,940 5280,795 5260,775 5260,690 5400,690 5415,675 5485,675 5485,725 5415,795 5415,940
NetD78_A on Top Layer "Bottom Layer-No Net" (solid, remove dead copper, pour order 165): 5645,775 5645,1100 5465,1100 5465,1010 5485,990 5485,775
NetD78_K on Top Layer "Bottom Layer-No Net" (solid, remove dead copper, pour order 276): 5205,1000 5360,1000 5360,1100 5205,1100
NetC95_1 on Top Layer "Bottom Layer-No Net" (solid, remove dead copper, pour order 233): 4790,615 4685,615 4675,605 4395,605 4395,535 4415,515 4675,515 4725,565 4790,565
PGND on Top Layer "Bottom Layer-No Net" (solid, remove dead copper, pour order 257): 4505,645 4505,940 4370,940 4370,645
NetC89_2 on Top Layer "Bottom Layer-No Net" (solid, remove dead copper, pour order 209): 4580,940 4580,795 4560,775 4560,690 4700,690 4715,675 4785,675 4785,725 4715,795 4715,940
NetD77_A on Top Layer "Bottom Layer-No Net" (solid, remove dead copper, pour order 166): 4945,775 4945,1100 4765,1100 4765,1010 4785,990 4785,775
NetD77_K on Top Layer "Bottom Layer-No Net" (solid, remove dead copper, pour order 277): 4505,1000 4660,1000 4660,1100 4505,1100
NetD53_K on Top Layer "Bottom Layer-No Net" (solid, remove dead copper, pour order 179): 2375,1400 3625,1400 3625,1110 2380,1105 2305,1185 2375,1255
NetD55_K on Top Layer "Bottom Layer-No Net" (solid, remove dead copper, pour order 280): 3205,1000 3360,1000 3360,1100 3205,1100
NetD55_A on Top Layer "Bottom Layer-No Net" (solid, remove dead copper, pour order 169): 3645,775 3645,1100 3465,1100 3465,1010 3485,990 3485,775
NetD54_K on Top Layer "Bottom Layer-No Net" (solid, remove dead copper, pour order 281): 2505,1000 2660,1000 2660,1100 2505,1100
NetD54_A on Top Layer "Bottom Layer-No Net" (solid, remove dead copper, pour order 170): 2945,775 2945,1100 2765,1100 2765,1010 2785,990 2785,775
NetD30_K on Top Layer "Bottom Layer-No Net" (solid, remove dead copper, pour order 185): 375,1400 1625,1400 1625,1110 380,1105 305,1185 375,1255
NetD32_K on Top Layer "Bottom Layer-No Net" (solid, remove dead copper, pour order 286): 1205,1000 1360,1000 1360,1100 1205,1100
NetD32_A on Top Layer "Bottom Layer-No Net" (solid, remove dead copper, pour order 174): 1645,775 1645,1100 1465,1100 1465,1010 1485,990 1485,775
NetD31_A on Top Layer "Bottom Layer-No Net" (solid, remove dead copper, pour order 171): 945,775 945,1100 765,1100 765,1010 785,990 785,775
NetD31_K on Top Layer "Bottom Layer-No Net" (solid, remove dead copper, pour order 282): 505,1000 660,1000 660,1100 505,1100
PHASEB_PREI on Top Layer "Bottom Layer-No Net" (solid, remove dead copper, pour order 211): 3280,940 3280,795 3260,775 3260,690 3400,690 3415,675 3485,675 3485,725 3415,795 3415,940
PGND on Top Layer "Bottom Layer-No Net" (solid, remove dead copper, pour order 259): 3205,645 3205,940 3070,940 3070,645
NetC78_1 on Top Layer "Bottom Layer-No Net" (solid, remove dead copper, pour order 235): 3490,615 3385,615 3375,605 3095,605 3095,535 3115,515 3375,515 3425,565 3490,565
PHASEB_PREI on Top Layer "Bottom Layer-No Net" (solid, remove dead copper, pour order 210): 2580,940 2580,795 2560,775 2560,690 2700,690 2715,675 2785,675 2785,725 2715,795 2715,940
PGND on Top Layer "Bottom Layer-No Net" (solid, remove dead copper, pour order 258): 2505,645 2505,940 2370,940 2370,645
NetC77_1 on Top Layer "Bottom Layer-No Net" (solid, remove dead copper, pour order 234): 2790,615 2685,615 2675,605 2395,605 2395,535 2415,515 2675,515 2725,565 2790,565
PHASEA_PREI on Top Layer "Bottom Layer-No Net" (solid, remove dead copper, pour order 203): 1280,940 1280,795 1260,775 1260,690 1400,690 1415,675 1485,675 1485,725 1415,795 1415,940
NetC60_1 on Top Layer "Bottom Layer-No Net" (solid, remove dead copper, pour order 227): 1490,615 1385,615 1375,605 1095,605 1095,535 1115,515 1375,515 1425,565 1490,565
PGND on Top Layer "Bottom Layer-No Net" (solid, remove dead copper, pour order 251): 1205,645 1205,940 1070,940 1070,645
NetC59_1 on Top Layer "Bottom Layer-No Net" (solid, remove dead copper, pour order 226): 790,615 685,615 675,605 395,605 395,535 415,515 675,515 725,565 790,565
PGND on Top Layer "Bottom Layer-No Net" (solid, remove dead copper, pour order 250): 505,645 505,940 370,940 370,645
PHASEA_PREI on Top Layer "Bottom Layer-No Net" (solid, remove dead copper, pour order 202): 580,940 580,795 560,775 560,690 700,690 715,675 785,675 785,725 715,795 715,940
NetD47_K on Top Layer "Bottom Layer-No Net" (solid, remove dead copper, pour order 182): 3625,4600 2375,4600 2375,4890 3620,4895 3695,4815 3625,4745
NetD70_K on Top Layer "Bottom Layer-No Net" (solid, remove dead copper, pour order 181): 5625,4600 4375,4600 4375,4890 5620,4895 5695,4815 5625,4745

## Other copper
Top Layer:
  text "fullCURRENT power 2.0" at 6455,1535 h75 r90
  text "Jonathan Nutzmann" at 6520,1535 h75 r90
  text "Full Steam Engineering" at 6585,1535 h75 r90
  text "FSE" at 6585,1040 h300 r90

## Silkscreen, mask and mechanical layers (free items; w line width, h text height)
Top Solder:
  region: 1843.99,3336.27 2335.79,3565.6 2108.3,4053.45 1616.5,3824.12
  region: 3848.99,3336.27 4340.79,3565.6 4113.3,4053.45 3621.5,3824.12
  region: 5853.99,3336.27 6345.79,3565.6 6118.3,4053.45 5626.5,3824.12
  text "fullCURRENT power 2.0" at 6455,1535 h75 r90
  text "Jonathan Nutzmann" at 6520,1535 h75 r90
  text "Full Steam Engineering" at 6585,1535 h75 r90
  text "FSE" at 6585,1040 h300 r90
Bottom Solder:
  rectangle: 7350,4395 7975,5020
  rectangle: 7350,975 7975,1600
  rectangle: -5,1015 7360,1360
  rectangle: -5,4570 7365,4915
Mechanical 1:
  the board outline again, w10
Mechanical 15:
  lines w10: 0,875 6250,875 ; 0,1250 6250,1250 ; 0,1525 6250,1525 ; 0,1625 6250,1625 ; 0,2905 6250,2905 ; 0,3000 6250,3000 ; 0,4375 6250,4375 ; 0,4750 6250,4750 ; 0,5125 6250,5125 ; 650,125 650,5875 ; 1000,125 1000,5875 ; 1350,125 1350,5875 ; 1922.12,3358.58 6593.58,3358.58 ; 1995,1225 1995,5250 ; 2175,125 2175,5875 ; 2650,125 2650,5875 ; 3000,125 3000,5875 ; 3350,125 3350,5875 ; 3995,480 3995,5395 ; 4175,125 4175,5875 ; 4650,125 4650,5875 ; 5000,125 5000,5875 ; 5350,125 5350,5875 ; 5965,1225 5965,5180 ; 6175,125 6175,5875 ; 6250,125 6250,5875
  lines w15: 1906.82,2349.04 1906.82,4121.82 ; 3911.82,2349.04 3911.82,4176.82 ; 5916.82,2349.04 5916.82,4251.82

## Text inside footprints (layer, text, board x,y; h text height)
C48: Top Overlay "+" at 670,5790 h59.06 r180
C55: Top Overlay "+" at 1265,5680 h59.06 r90
C66: Top Overlay "+" at 2675,5790 h59.06 r180
C73: Top Overlay "+" at 3270,5680 h59.06 r90
C84: Top Overlay "+" at 4675,5730 h59.06 r180
C91: Top Overlay "+" at 5260,5640 h59.06 r90
Q4: Top Overlay "G" at 1195,5175 h40; Top Overlay "D" at 1415,5175 h40; Top Overlay "S" at 1620,5175 h40
Q5: Top Overlay "G" at 495,5175 h40; Top Overlay "D" at 715,5175 h40; Top Overlay "S" at 920,5175 h40
Q6: Top Overlay "G" at 805,825 h40 r180; Top Overlay "D" at 585,825 h40 r180; Top Overlay "S" at 380,825 h40 r180
Q7: Top Overlay "G" at 1505,825 h40 r180; Top Overlay "D" at 1285,825 h40 r180; Top Overlay "S" at 1080,825 h40 r180
Q12: Top Overlay "G" at 3195,5175 h40; Top Overlay "D" at 3415,5175 h40; Top Overlay "S" at 3620,5175 h40
Q13: Top Overlay "G" at 2495,5175 h40; Top Overlay "D" at 2715,5175 h40; Top Overlay "S" at 2920,5175 h40
Q14: Top Overlay "G" at 2805,825 h40 r180; Top Overlay "D" at 2585,825 h40 r180; Top Overlay "S" at 2380,825 h40 r180
Q15: Top Overlay "G" at 3505,825 h40 r180; Top Overlay "D" at 3285,825 h40 r180; Top Overlay "S" at 3080,825 h40 r180
Q20: Top Overlay "G" at 5195,5175 h40; Top Overlay "D" at 5415,5175 h40; Top Overlay "S" at 5620,5175 h40
Q21: Top Overlay "G" at 4495,5175 h40; Top Overlay "D" at 4715,5175 h40; Top Overlay "S" at 4920,5175 h40
Q22: Top Overlay "G" at 4805,825 h40 r180; Top Overlay "D" at 4585,825 h40 r180; Top Overlay "S" at 4380,825 h40 r180
Q23: Top Overlay "G" at 5505,825 h40 r180; Top Overlay "D" at 5285,825 h40 r180; Top Overlay "S" at 5080,825 h40 r180